# Altium PCB VIA4_datpcb.PcbDoc (continued)
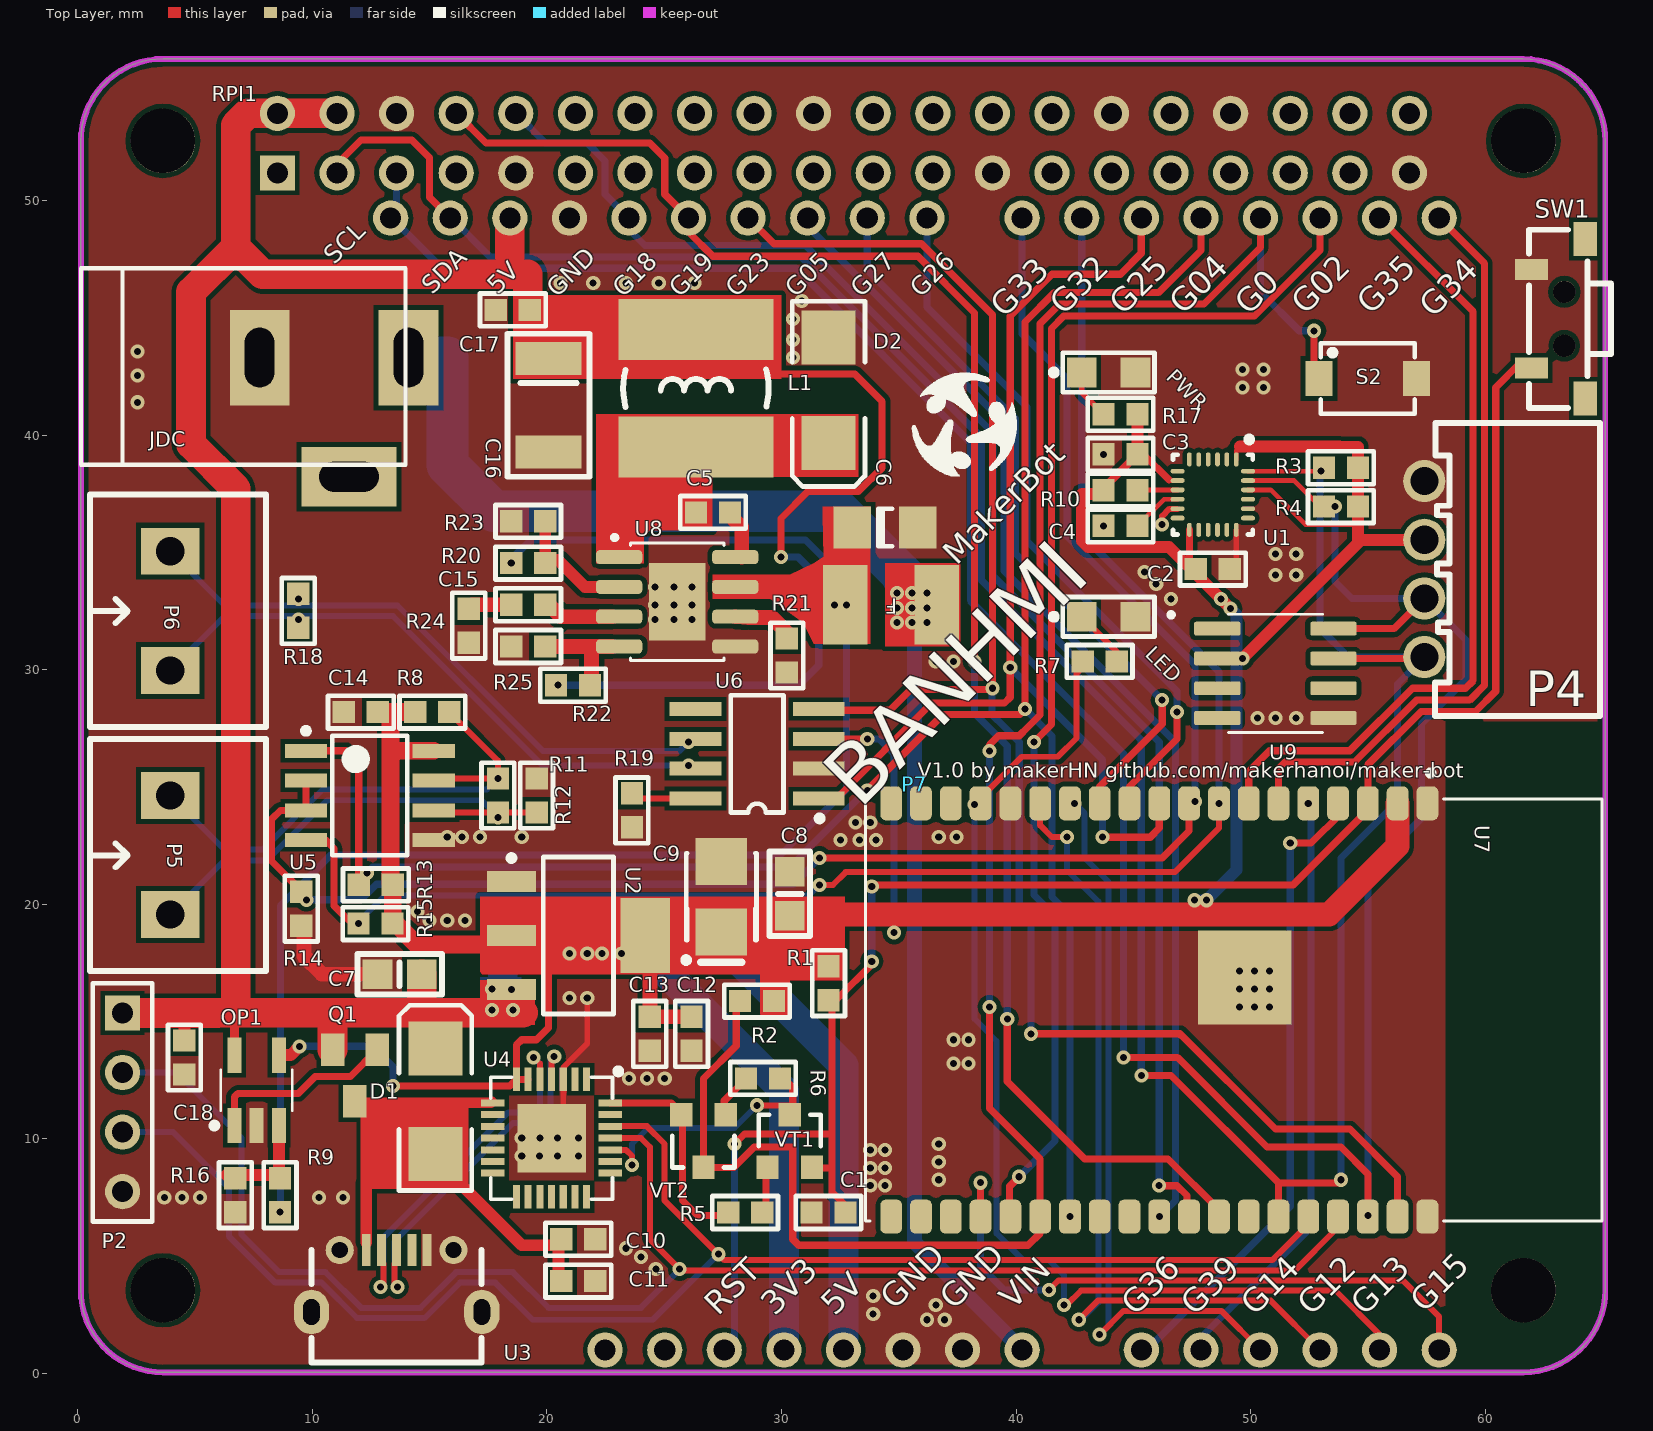
[diagram p0: Top Layer view]
## Part data (continued)
LED PWR: library part LED0805, "LED SMD 0805"
P2 P4: "Header, 4-Pin"
P5 P6: "Header, 2-Pin, Medium"
Q1: "P-Channel 30V 4A _Ta_ 1.4W _Ta_ Surface Mount SOT-23-3"
R1 R2 R3 R4 R5 R6 R8 R9 R10 R11 R12 R13 R14 R15 R16 R18 R19: library part RES-SM-0603-10K, "RES SM 0603 10K"
R7: library part RES-SM-0603-1K, "RES SM 0603 1K"
R17 R20 R21 R22 R23 R24 R25: library part RES-SM-0603-100K, "RES SM 0603 100K"
RPI1: library part "rpi connector", "GPIO Header for Raspberry Pi A+/B+/Pi 2/Pi 3 - 2x20"
S2: library part SMT_SW_PTS_820, "SMT Tactile ?Switch PTS 820 Series"
U2: library part NCP1117, "NCP1117, NCV1117. 1.0 A Low-Dropout Positive  Fixed and Adjustable  Voltage Regulators"
U3: "USB micro female SMT with 4 fixed foot"
U4: "Single-Chip USB to UART Bridge, 1024 Bytes EEPROM, -40 to 85 degC, 28-pin QFN, Tube"
U7: "Bluetooth, WiFi 802.11b/g/n, Bluetooth v4.2 + EDR, Class 1, 2 and 3 Transceiver Module 2.4GHz ~ 2.5GHz Antenna Not Included, I-PEX Surface Mount"
U8: library part MP1584
U9: "Real Time Clock _RTC_ IC Clock/Calendar I²C, 2-Wire Serial 8-SOIC _0.154, 3.90mm Width_"
VT1 VT2: library part SMT_TRIODE_NPN, "Surface mount NPN transistor, package SOT-23"

## Free pads (board coordinates)
  round 2.75 hole 2.75: ""(3.627,3.543) ""(3.627,52.543) ""(61.627,3.543) ""(61.627,52.543)

## Via types
v1: diameter 0.6, hole 0.3, Top Layer to Bottom Layer, tented both sides, 193 vias

## Nets (pads, with @x,y where several pads share a name; then routed paths per layer and width w, separated by ;. In a path a pad name is that pad's centre, name@x,y a point inside that pad or via, vN(x,y) a via of type N, cw(c..) or ccw(c..) an arc to the next point about the centre after c; other vN are vias at no path point)
3.3V: C2.2 C3.2 C8.1 C9.1 C12.2 C13.2 C14.2 OP1.4 P4.2 P7.4 R1.2 R2.2 R3.2 R4.2 R8.2 R10.1 R13.2 R15.2 R17.1 U1.1 U1.8 U1.13 U1.22 U2.2 U4.6 U4.7 U5.8 U6.3 U7.2 U9.2 | length 167.9
  Top Layer w0.203: 46.517,38.065 U1.8 ; U1.1 49.387,39.354 49.548,39.515 ; U1.22 50.854,37.665 52.342,36.177 54.555,36.177
  Top Layer w0.254: U4.7 U4.7@18.693,12.795
  Top Layer w0.305: v1(13.433,12.25) 18.41,12.25 U4.7 U4.6 ; U4.7@18.693,12.795 18.693,13.994 18.923,14.224 19.558,14.224 20.066,14.732 20.066,17.272 ; U6.3 v1(33.655,27.051) ; 34.493,19.558 34.798,19.253 v1(34.798,18.796) ; C3.2 45.433,39.181 46.517,38.097 ; C2.2@47.387,34.565 U1.13
  Top Layer w0.33: R10.1@43.725,37.731 C3.2
  Top Layer w0.508: OP1.4 9.069,13.565 v1(9.449,13.945) ; R10.1@43.551,37.483 42.818,37.483 42.818,35.479 43.071,35.226 46.525,35.226 v1(48.731,33.02) v1(49.149,32.602) ; C3.2 R17.1 ; 49.548,39.515 53.777,39.515 53.795,39.497 54.573,39.497 R3.2 R4.2 54.573,35.396 v1(49.657,30.48) ; 54.715,35.538 P4.2
  Top Layer w0.635: U2.2@24.186,18.669 24.384,18.471 C13.2 C12.2
  Top Layer w0.762: 13.335,28.067 13.335,26.289 ; 13.335,28.194 R8.2 ; U5.8 13.589,26.543 13.335,26.289 ; U2.2@18.486,18.669 18.105,18.288 14.441,18.288 13.552,19.177 R15.2 13.425,19.186 R13.2 13.335,20.918 13.335,26.289
  Top Layer w1.016: 31.877,19.558 34.493,19.558 47.46,19.558 47.462,19.56 52.03,19.56 52.032,19.558 53.34,19.558 56.266,22.484 U7.2
  Top Layer w2.54: U2.2@18.486,18.669 20.955,18.669 ; U2.2@23.495,18.669 24.186,18.669 30.353,18.669
  Bottom Layer w0.305: v1(9.449,13.945) 12.558,13.945 13.433,13.07 v1(13.433,12.25) ; v1(33.655,27.051) 34.163,27.051 34.798,26.416 v1(34.798,18.796)
  Bottom Layer w0.508: v1(47.599,20.172) v1(48.112,20.172) 49.403,21.463 49.403,32.348 v1(49.149,32.602)
  Bottom Layer w1.27: v1@20.828,17.907 v1(20.955,17.907) v1(21.717,17.907) v1(22.352,17.907) v1(23.186,17.907) 24.257,17.907 30.099,12.065 P7.4
5V: C7.1 C16.1 C17.1 C18.1 D1.2 L1.2 OP1.5 P2.1 P7.5 P7.30 Q1.2 R22.1 RPI1.2 RPI1.4 U2.3 | length 149.1
  Top Layer w0.305: 4.191,15.367 4.539,15.019 ; 29.718,42.608 33.119,42.608 34.29,41.437 34.29,38.608 33.274,37.592 31.115,37.592 29.972,36.449 v1(29.972,34.798)
  Top Layer w0.381: OP1.5@6.67,13.692 6.67,15.31
  Top Layer w0.508: C18.1 4.539,15.019
  Top Layer w1.27: P2.1 4.191,15.367 5.941,15.367 5.945,15.371 6.731,15.371 ; Q1.2 10.861,15.31 ; RPI1.4 RPI1.2 7.239,53.721 6.731,53.213 6.731,48.006 ; 14.656,15.421 C7.1 ; D1.2@15.621,14.323 15.621,15.244 ; 18.415,47.625 P7.30 ; 18.977,15.371 6.731,15.371 ; C16.1@19.939,43.783 19.177,44.545 19.177,46.863 7.874,46.863 6.731,48.006 ; 22.249,44.372 22.249,44.68 ; 6.731,15.371 6.731,37.719 4.826,39.624 4.826,46.101 6.731,48.006
  Bottom Layer w0.305: v1(20.471,29.339) 30.736,29.339 31.583,30.186 31.583,33.925 30.711,34.798 v1(29.972,34.798)
  Bottom Layer w1.27: 18.11,16.586 18.11,17.348 20.193,19.431 26.342,19.431 32.639,13.134 P7.5
  other v1: 17.653,15.494 18.542,15.498 18.486,16.369 17.653,16.383
485_N: P5.2 R8.1 R11.2 U5.7 | length 22.6
  Top Layer w0.254: U5.7 15.261,25.363 v1(17.907,25.363) 17.907,26.125 R8.1
  Bottom Layer w0.254: P5.2 6.248,22.327 7.874,22.327 10.439,24.892 17.436,24.892 v1(17.907,25.363)
485_P: P5.1 R11.1 R12.2 U5.6 | length 20.9
  Top Layer w0.254: U5.6 15.261,23.913 R11.1 19.316,23.913 R12.2@19.595,24.192
  Bottom Layer w0.254: P5.1 6.248,21.869 8.063,21.869 10.629,24.435 17.207,24.435 17.907,23.735 v1(17.907,23.702)
CAN_N: P6.2 R18.1 U6.6 | length 26.1
  Bottom Layer w0.254: P6.2 6.248,32.741 v1@9.398,32.741 ; v1(9.398,33.02) v1@9.398,32.741 ; v1(26.035,26.924) 25.654,26.543 19.824,26.543 13.626,32.741 v1@9.398,32.741
CAN_P: P6.1 R18.2 U6.7 | length 25.8
  Bottom Layer w0.254: P6.1 6.248,32.283 v1@9.398,32.283 ; v1(9.398,32.131) v1@9.398,32.283 ; v1(26.035,25.908) 19.812,25.908 13.437,32.283 v1@9.398,32.283
CAN_RX: P7.26 U6.4 U7.37 | length 71.1
  Top Layer w0.305: P7.26 29.673,48.158 35.963,48.158 38.989,45.132 v1(38.989,29.21) 38.938,29.159 35.509,29.159 34.62,28.27 31.632,28.27 U6.4 ; v1(40.64,14.478) 46.99,14.478 ; 46.99,14.427 47.041,14.427 51.054,10.414 54.234,10.414 56.266,8.382 U7.37
  Bottom Layer w0.305: v1(38.989,29.21) 38.966,29.187 38.966,28.09 39.502,27.554 39.502,27.552 39.998,27.056 40,27.056 40.137,26.919 40.137,19.837 40.64,19.334 v1(40.64,14.478)
CAN_TX: P7.20 U6.1 U7.10 | length 46.9
  Top Layer w0.305: U6.1 32.338,24.511 36.406,28.58 39.502,28.58 39.751,28.829 v1(39.751,30.099) 39.751,45.085 41.529,46.863 44.45,46.863 45.339,47.752 P7.20 ; v1(43.688,22.86) 45.72,22.86 46.106,23.246 U7.10
  Bottom Layer w0.305: v1(39.751,30.099) 43.688,26.162 v1(43.688,22.86)
D_N: U3.2 U4.5 | length 16
  Top Layer w0.254: v1(12.91,3.683) 13.037,3.81 13.037,4.68 12.941,4.775 U3.2@12.941,5.588 ; U4.5 19.693,13.212
  Bottom Layer w0.254: v1(12.91,3.683) 13.037,3.81 13.037,5.809 18.353,11.125 19.431,11.125 19.693,11.387 19.693,13.212 19.443,13.462 v1(19.431,13.462)
D_P: U3.3 U4.4 | length 16.2
  Top Layer w0.254: U3.3@13.589,5.588 13.589,4.775 13.494,4.68 13.494,3.81 v1(13.621,3.683) ; U4.4 v1@20.193,13.386
  Bottom Layer w0.254: v1(13.621,3.683) 13.494,3.81 13.494,5.62 18.542,10.668 19.62,10.668 20.15,11.198 20.15,13.355 v1(20.308,13.513)
DI: P7.21 R15.1 U5.4 U7.8 | length 72
  Top Layer w0.254: v1(31.623,20.828) 32.191,20.828 32.733,21.369 32.893,21.369 32.896,21.366 33.592,21.366 33.595,21.369 46.769,21.369 48.646,23.246 v1(48.646,24.304)
  Top Layer w0.305: U5.4 10.566,22.733 10.922,22.377 10.922,19.939 R15.1@11.684,19.177
  Bottom Layer w0.254: v1(11.966,19.177) 11.966,19.256 13.081,20.371 31.166,20.371 v1(31.623,20.828)
  Bottom Layer w0.305: P7.21@42.647,49.53 42.799,49.378 42.799,35.756 48.646,29.909 v1(48.646,24.304)
DTR: R5.1 U4.28 VT2.2 | length 9
  Top Layer w0.305: U4.28 25.297,11.533 25.781,11.049 25.781,7.366 26.416,6.731 R5.1@27.596,6.731
GND: C1.1 C2.1 C3.1 C4.2 C6.2 C7.2 C8.2 C9.2 C10.1 C11.1 C12.1 C13.1 C14.1 C16.2 C17.2 C18.2 D2.1 JDC.2 LED.2 OP1.2 P2.4 P4.1 P7.6 P7.7 P7.29 PWR.2 R12.1 R14.1 R16.1 R19.1 R21.1 R23.2 R24.1 R25.2 RPI1.6 RPI1.9 RPI1.20 RPI1.25 RPI1.30 RPI1.34 RPI1.39 S2.2 SW1.2 U1.11 U1.18 U1.20 U2.1 U3.5 U3.6 U3.7 U3.8 U3.9 U4.3 U4.29 U5.5 U6.2 U7.1 U7.15 U7.38 U7.39 U8.5 U8.9 U9.5 | length 13.6
  Top Layer w0.254: U4.29@20.693,10.533 20.693,12.024 20.701,12.016 20.701,13.05 21.717,14.066 v1(21.717,16.002) ; v1(46.228,36.195) 46.228,36.55 46.537,36.859 U1.11@46.887,36.859 ; C2.1 49.387,34.565 U1.18
  Top Layer w0.635: R14.1 9.637,18.975 9.637,17.795 10.414,17.018 C7.2
  other v1: 36.195,2.286 36.957,2.286 33.909,2.54 36.576,2.921 33.909,3.302 24.638,4.445 24.003,4.953 23.368,5.334 3.683,7.493 4.445,7.493 5.207,7.493 10.287,7.493 11.303,7.493 33.782,8.001 34.417,8.001 36.703,8.255 33.782,8.763 34.417,8.763 36.703,9.017 18.923,9.271 19.685,9.271 20.447,9.271 21.336,9.271 33.782,9.525 34.417,9.525 36.703,9.779 18.923,10.033 19.693,10.033 20.447,10.033 21.336,10.033 23.495,12.573 24.257,12.573 25.019,12.573 37.338,13.208 37.973,13.208 37.338,14.224 37.973,14.224 49.53,15.621 50.165,15.621 50.8,15.621 20.955,16.002 49.53,16.383 50.165,16.383 50.8,16.383 49.53,17.145 50.165,17.145 50.8,17.145 14.986,19.304 15.748,19.304 16.51,19.304 14.478,19.685 32.512,22.733 33.326,22.733 34.036,22.733 15.748,22.86 16.383,22.86 17.145,22.86 18.923,22.86 36.703,22.86 37.465,22.86 33.147,23.495 33.782,23.495 50.292,27.94 51.054,27.94 51.943,27.94 36.576,30.353 37.338,30.353 24.614,32.138 25.416,32.138 26.186,32.133 24.614,32.76 25.416,32.76 26.186,32.768 46.609,33.02 24.614,33.53 25.424,33.53 26.186,33.53 45.974,33.655 51.054,34.036 51.943,34.036 45.466,34.163 51.054,34.925 51.943,34.925 43.725,36.133 43.725,39.181 2.54,41.402 49.657,42.037 50.546,42.037 2.54,42.545 49.657,42.799 50.546,42.799 30.48,43.307 2.54,43.561 30.48,44.069 30.48,44.958 30.861,45.72 20.574,46.482 21.971,46.482 23.368,46.482 24.765,46.482 26.289,46.482
IO0: P7.18 R2.1 S2.1 U7.25 VT2.3 | length 87.6
  Top Layer w0.305: R2.1@28.067,15.875 28.067,13.97 26.67,12.573 VT2.3 27.961,8.781 28.832,9.652 30.48,9.652 30.48,7.476 30.474,7.47 30.474,6.246 30.48,6.24 30.48,5.715 30.734,5.461 40.513,5.461 41.026,5.974 U7.25@41.026,6.433 ; v1(38.862,15.621) 38.862,11.303 41.026,9.139 U7.25 ; v1(38.862,26.543) 38.862,26.797 39.25,27.185 40.137,27.185 40.506,27.554 41.021,28.07 41.021,44.751 41.863,45.593 48.006,45.593 50.419,48.006 P7.18 ; S2.1@52.705,42.418 v1(52.705,44.45)
  Bottom Layer w0.305: v1(38.862,15.621) v1(38.862,26.543) ; P7.18 50.419,46.101 52.07,44.45 v1(52.705,44.45)
IO2: P7.17 U7.24 | length 53.7
  Top Layer w0.305: U7.24 39.649,6.791 39.649,6.96 39.726,6.96 39.726,7.976 v1(40.132,8.382) ; v1(40.767,26.924) 41.504,27.661 41.504,44.552 42.032,45.08 50.16,45.08 52.959,47.879 P7.17
  Bottom Layer w0.305: v1(40.132,8.382) 41.656,9.906 41.656,19.511 40.767,20.4 v1(40.767,26.924)
IO4: P7.19 R13.1 U5.1 U7.26 | length 87.7
  Top Layer w0.305: U5.1 11.43,26.543 11.975,25.998 R13.1 ; v1(33.655,24.859) 36.893,28.097 40.157,28.097 v1(40.381,28.321) 40.381,44.826 41.631,46.076 46.076,46.076 47.879,47.879 P7.19
  Bottom Layer w0.305: v1(12.319,21.336) 12.573,21.59 30.386,21.59 30.993,22.197 30.993,22.232 33.62,24.859 v1(33.655,24.859) ; v1(40.381,28.321) 40.386,28.321 41.534,27.173 41.534,20.315 42.296,19.553 v1(42.296,6.684)
IO5: P7.25 U7.29 | length 49.4
  Bottom Layer w0.305: P7.25@31.142,49.276 31.142,48.868 39.497,40.513 39.497,34.205 46.792,26.91 46.792,7.37 v1(46.106,6.684)
IO12: P7.12 U7.14 | length 35.3
  Top Layer w0.254: U7.14 41.026,23.363 41.529,22.86 v1(42.164,22.86) ; v1(42.672,2.286) 43.485,3.099 50.856,3.099 P7.12
  Bottom Layer w0.254: v1(42.164,22.86) 42.164,21.463 43.51,20.117 43.51,3.031 42.765,2.286 v1(42.672,2.286)
IO13: P7.13 R7.1 U7.16 | length 47.4
  Top Layer w0.254: U7.16 38.486,24.537 40.238,26.289 41.783,26.289 42.582,27.088 42.582,29.845 R7.1@42.836,30.099 ; v1(42.037,2.921) 42.164,2.921 42.774,3.531 53.619,3.531 55.499,1.651 P7.13
  Bottom Layer w0.254: v1(38.227,24.257) 38.227,15.113 39.167,14.173 39.167,5.969 40.31,4.826 41.402,4.826 42.037,4.191 v1(42.037,2.921) ; P7.13@55.327,1.168 P7.13
IO14: P7.11 U7.13 | length 31.4
  Top Layer w0.254: v1(43.561,1.651) 44.577,2.667 48.748,2.667 P7.11
  Bottom Layer w0.254: v1(42.498,24.304) 42.926,23.876 42.926,21.971 43.942,20.955 43.942,2.032 v1(43.561,1.651)
IO15: P7.14 U7.23 | length 27.1
  Top Layer w0.254: v1(41.402,3.556) 41.808,3.962 56.49,3.962 58.039,2.413 P7.14
  Top Layer w0.305: U7.23@38.354,6.816 38.481,6.943 v1(38.481,8.128)
  Bottom Layer w0.305: v1(38.481,8.128) 38.481,4.572 39.497,3.556 v1(41.402,3.556)
IO18: P7.28 RPI1.10 U7.30 | length 64.4
  Top Layer w0.305: v1(46.101,8.001) 46.863,8.001 47.284,7.58 47.284,6.776 U7.30
  Bottom Layer w0.305: RPI1.10 19.939,52.451 21.717,52.451 22.479,51.689 22.479,50.272 P7.28 23.495,48.768 24.181,48.082 31.023,48.082 39.014,40.091 39.014,34.005 46.101,26.918 v1(46.101,8.001)
IO19: P7.27 RPI1.8 U7.31 | length 71.8
  Top Layer w0.305: RPI1.8 17.399,52.451 24.384,52.451 25.019,51.816 25.019,50.272 P7.27 26.035,48.657 27.067,47.625 35.814,47.625 38.227,45.212 v1(38.227,30.353) ; v1(39.624,15.113) 39.624,12.446 42.926,9.144 46.482,9.144 48.646,6.98 U7.31
  Bottom Layer w0.305: v1(38.227,30.353) 38.227,28.144 39.624,26.747 v1(39.624,15.113)
IO21: P4.4 P7.31 R3.1 RPI1.3 U1.24 U7.33 U9.7 | length 118.5
  Top Layer w0.203: U1.24 R3.1@52.98,38.465 ; P4.4@57.344,30.48 P4.4
  Top Layer w0.305: RPI1.3 11.049,51.562 12.065,52.578 14.232,52.578 14.986,51.824 14.986,50.145 P7.31 ; v1(45.339,12.7) 46.609,12.7 51.186,8.123 ; U7.33@51.186,7.055 51.186,8.123 ; U9.7 P4.4@57.344,30.48 ; v1(53.848,8.255) 53.716,8.123 51.186,8.123
  Bottom Layer w0.305: P7.31@15.902,49.276 17.578,47.6 30.823,47.6 38.532,39.891 38.532,33.805 45.339,26.998 v1(45.339,12.7) ; v1(52.996,38.481) 52.964,38.449 52.964,31.787 52.943,31.766 54.169,30.54 P4.4 56.261,29.397 56.261,24.384 53.848,21.971 v1(53.848,8.255)
IO22: P4.3 P7.32 R4.1 RPI1.5 U1.23 U7.36 U9.8 | length 118.8
  Top Layer w0.203: U1.23 51.857,38.065 52.965,36.957 R4.1 R4.1@53.281,36.957 ; R4.1@53.467,36.771 R4.1@53.281,36.957 ; v1(53.594,36.957) R4.1@53.281,36.957
  Top Layer w0.305: v1(44.577,13.462) 46.888,13.462 50.698,9.652 53.848,9.652 54.996,8.504 v1(54.996,6.736) U7.36 ; U9.8 56.115,31.75 P4.3
  Bottom Layer w0.305: P7.32 13.589,49.51 RPI1.5 ; P7.32@13.362,49.276 15.521,47.117 30.624,47.117 38.049,39.691 38.049,32.944 41.407,29.586 41.409,29.586 44.589,26.406 44.577,26.395 v1(44.577,13.462) ; v1(53.594,36.957) 53.594,33.765 54.32,33.039 P4.3 59.182,31.261 59.182,29.591 57.277,27.686 57.277,23.661 54.996,21.38 v1(54.996,6.736)
IO26: P7.23 U7.11 | length 30.2
  Top Layer w0.305: U7.11 44.836,25.024 46.863,27.051 v1(46.863,28.194)
  Bottom Layer w0.305: P7.23 36.195,45.466 40.462,41.199 40.462,35.484 46.863,29.083 v1(46.863,28.194)
IO27: P7.24 U7.12 | length 31.3
  Top Layer w0.305: U7.12 43.566,25.024 46.228,27.686 v1(46.228,28.702)
  Bottom Layer w0.305: P7.24 33.655,47.037 39.98,40.713 39.98,34.95 v1(46.228,28.702)
IO33: P7.22 R14.2 U5.2 U5.3 U7.9 | length 74.7
  Top Layer w0.305: R14.2@9.525,20.283 9.525,20.574 8.255,21.844 8.255,23.622 8.636,24.003 U5.3 U5.2 ; v1(31.623,21.971) 46.228,21.971 47.376,23.119 U7.9
  Bottom Layer w0.305: v1(9.744,20.191) 12.065,20.191 12.728,20.853 30.505,20.853 v1(31.623,21.971) ; P7.22 40.259,44.323 42.164,42.418 42.164,35.676 47.625,30.215 v1(47.625,24.384)
IO34: P7.15 U7.6 | length 32.5
  Top Layer w0.305: U7.6 51.186,25.786 51.46,26.06 54.429,26.06 57.07,28.702 59.338,28.702 59.969,29.333 59.969,47.326 P7.15
IO35: P7.16 U7.7 | length 33.9
  Top Layer w0.305: U7.7 49.916,25.659 50.8,26.543 54.229,26.543 56.896,29.21 59.164,29.21 59.487,29.533 59.487,45.268 P7.16
IO36: P7.9 U7.4 | length 27.4
  Top Layer w0.305: v1(51.689,22.606) 52.578,22.606 53.848,23.876 U7.4@53.848,24.182
  Bottom Layer w0.305: P7.9 45.593,1.25 45.827,1.25 51.689,7.112 v1(51.689,22.606)
IO39: P7.10 U7.5 | length 25.3
  Bottom Layer w0.305: P7.10 47.879,1.524 52.578,6.223 52.578,24.182 v1(52.456,24.304)
LBK: U6.5
MPU_INT: U1.12
NetC4_1: C4.1 U1.10 | length 2.2
  Top Layer w0.203: C4.1 46.307,37.265 U1.10
NetC5_1: C5.1 D2.2 L1.1 U8.1 | length 2.9
  Top Layer w0.635: C5.1@26.349,36.579 L1.1
NetC5_2: C5.2 U8.8 | length 2
  Top Layer w0.635: C5.2@27.8,36.578 28.301,36.077 U8.8@28.301,34.8
NetC15_1: C15.1 R24.2 | length 1.7
  Top Layer w0.635: R24.2@16.825,32.768 C15.1
NetC15_2: C15.2 U8.3 | length 3.1
  Top Layer w0.635: C15.2@19.963,32.895 20.598,32.26 U8.3@22.801,32.26
NetLED1_1: LED.1 R7.2 | length 2.8
  Top Layer w0.254: LED.1 44.286,30.771 R7.2@44.286,30.099
NetLED2_1: PWR.1 R17.2 | length 2.2
  Top Layer w0.254: PWR.1 42.799,41.82 R17.2
NetOP1_1: OP1.1 Q1.1 | length 8.1
  Top Layer w0.305: OP1.1 6.67,11.789 6.819,11.938 9.398,11.938 10.121,12.661 11.622,12.661 Q1.1
NetOP1_3: OP1.3 R9.1 R16.2 | length 4.2
  Top Layer w0.508: R16.2@6.332,8.449 R9.1@8.745,8.449 ; R9.1@8.57,8.787 OP1.3
NetR5_2: R5.2 VT1.1 | length 2.3
  Top Layer w0.305: R5.2@29.046,6.731 29.337,7.022 29.337,8.588 VT1.1@29.53,8.781
NetR6_2: R6.2 VT2.1 | length 2.3
  Top Layer w0.305: VT2.1 27.62,11.412 27.559,11.351 27.559,11.622 28.448,12.511 R6.2@28.448,12.827
NetR10_2: R10.2 U1.9 | length 1.7
  Top Layer w0.203: R10.2 45.183,37.665 46.306,37.665 U1.9
NetR20_2: R20.2 R23.1 U8.2 | length 5.1
  Top Layer w0.508: R20.2 R20.2@19.926,34.673 ; R23.1 R20.2@19.926,34.673 ; U8.2@22.801,33.53 21.614,33.53 20.471,34.673 R20.2@19.926,34.673
NetR21_2: R21.2 U8.6 | length 2.6
  Top Layer w0.635: U8.6 28.599,32.223 29.589,32.223 R21.2@30.353,31.459
NetR22_2: R22.2 R25.1 U8.4 | length 4.4
  Top Layer w0.635: R25.1@20.053,30.99 U8.4@22.801,30.99 ; R22.2@21.905,29.339 21.905,30.953
OTG_ID: U3.4
RESET: C1.2 P7.3 R1.1 SW1.1 U7.3 VT1.2 | length 74
  Top Layer w0.305: v1(27.995,9.779) 28.417,10.201 32.149,10.201 ; VT1.2@31.43,8.781 31.448,8.763 32.149,8.763 ; R1.1 32.319,15.912 33.909,17.502 v1(33.846,17.566) ; R1.1@32.149,15.767 32.149,10.201 ; C1.2@32.639,6.895 32.639,7.239 32.149,7.729 32.149,8.763 ; v1(33.846,20.764) 33.909,20.828 51.816,20.828 54.996,24.008 U7.3 54.996,25.945 57.27,28.219 59.588,28.219 60.452,29.083 60.452,42.037 SW1.1@61.468,43.053 ; 32.149,8.763 32.149,10.201
  Bottom Layer w0.305: P7.3@27.995,1.425 v1(27.995,9.779) ; v1@33.846,17.462 v1(33.846,17.566) v1(33.846,20.764)
RS: R19.2 U6.8 | length 2.8
  Top Layer w0.254: R19.2@23.647,24.728 R19.2 23.839,24.511 U6.8
RTS: R6.1 U4.24 VT1.3 | length 11.5
  Top Layer w0.254: U4.24 23.36,9.533 23.622,9.271 v1(23.622,8.89) ; v1(28.956,11.43) VT1.3@30.48,11.43
  Top Layer w0.305: R6.1@29.845,12.827 30.48,12.192 VT1.3@30.48,11.43
  Bottom Layer w0.254: v1(23.622,8.89) 23.622,9.779 24.305,10.462 27.988,10.462 v1(28.956,11.43)
RXD0: P2.3 U4.26 U7.34 | length 66.3
  Top Layer w0.254: U4.26@22.701,10.541 24.257,10.541 25.019,9.779 25.019,7.366 v1(27.305,5.08) 27.559,4.826 50.927,4.826 U7.34@52.329,6.228
  Bottom Layer w0.254: P2.3 4.064,10.287 6.437,7.914 6.437,5.85 8.416,3.871 10.394,3.871 11.903,2.362 14.784,2.362 16.293,3.871 17.795,3.871 19.38,2.286 24.511,2.286 v1(27.305,5.08)
TXD0: P2.2 U4.25 U7.35 | length 69.1
  Top Layer w0.254: U4.25 24.003,10.033 24.384,9.652 24.384,5.715 v1(25.654,4.445) 25.705,4.394 51.892,4.394 ; 51.892,4.42 51.918,4.42 53.599,6.101 U7.35@53.599,6.731
  Bottom Layer w0.254: P2.2 4.191,12.827 6.985,10.033 6.985,5.913 8.58,4.318 10.557,4.318 12.081,2.794 14.605,2.794 16.129,4.318 18.542,4.318 20.066,2.794 24.003,2.794 v1(25.654,4.445)
VBUS: C10.2 C11.2 D1.1 Q1.3 U3.1 U4.8 | length 19.2
  Top Layer w0.457: Q1.3 11.868,11.543 17.605,11.543 U4.8@17.646,11.585
  Top Layer w0.508: U3.1@12.294,5.588 12.294,8.14 16.244,8.14 18.923,5.461 C10.2@20.484,5.461 ; C11.2@20.484,3.937 C10.2@20.484,5.399
VIN: C6.1 F.2 R9.2 R20.1 U8.7 | length 63.2
  Bottom Layer w0.305: v1@8.636,7.112 8.636,19.948 10.776,22.088 13.851,22.088 13.861,22.098 29.96,22.098 32.766,24.904 v1(32.766,32.766) ; v1(18.476,34.546) 18.476,34.707 19.304,35.535 31.019,35.535 32.258,34.296 v1(32.258,32.766)
  other v1: 8.618,6.872
VIN_N: F.1 JDC.1 P7.8 | length 62.7
  Bottom Layer w0.635: 34.671,33.655 35.166,34.15 ; v1(35.56,33.274) 35.56,33.528 35.801,33.769 ; v1@35.674,32.004 35.674,5.581 P7.8
  Bottom Layer w1.778: JDC.1 15.757,43.307 15.757,38.726 17.729,36.754 32.459,36.754 v1@35.812,33.401
  other v1: 34.925,32.004 35.56,32.004 36.195,32.004 34.925,32.639 35.56,32.639 36.195,32.639 34.925,33.274 36.195,33.274
pads on no net: JDC.3 P7.1 P7.2 RPI1.1 RPI1.7 RPI1.11 RPI1.12 RPI1.13 RPI1.14 RPI1.15 RPI1.16 RPI1.17 RPI1.18 RPI1.19 RPI1.21 RPI1.22 RPI1.23 RPI1.24 RPI1.26 RPI1.27 RPI1.28 RPI1.29 RPI1.31 RPI1.32 RPI1.33 RPI1.35 RPI1.36 RPI1.37 RPI1.38 RPI1.40 S2.MH1 S2.MH2 SW1. SW1.3 SW1.4 U1.2 U1.3 U1.4 U1.5 U1.6 U1.7 U1.14 U1.15 U1.16 U1.17 U1.19 U1.21 U1.25 U4.1 U4.2 U4.9 U4.10 U4.11 U4.12 U4.13 U4.14 U4.15 U4.16 U4.17 U4.18 U4.19 U4.20 U4.21 U4.22 U4.23 U4.27 U7.17 U7.18 U7.19 U7.20 U7.21 U7.22 U7.27 U7.28 U7.32 U9.1 U9.3 U9.4 U9.6

## Polygon pours and split planes (outlines as drawn)
GND on Bottom Layer "Bottom Layer-No Net" (solid, remove dead copper, pour order 0): -0.219,56.081 64.932,56.081 64.932,-0.053 -0.219,-0.053
3.3V on Top Layer "Bottom Layer-No Net" (solid, remove dead copper, pour order 18): 30.963,20.193 32.704,20.193 32.704,18.452 32.704,18.037 32.704,16.764 30.861,16.764 30.48,16.764 30.353,16.764 30.353,15.178 29.21,15.175 29.083,15.175 29.083,15.621 29.083,17.018 17.145,17.018 17.145,20.193
GND on Top Layer "Bottom Layer-No Net" (solid, remove dead copper, pour order 2): 0,56.134 65.151,56.134 65.151,0 0,0

## Keep-outs
Keep-Out Layer:
  the board outline again, w0.254

## Other copper
Top Layer:
  rectangle net 5V: 18.542,42.394 29.996,45.974
  region net VIN_N: 37.638,30.988 37.638,34.544 34.417,34.544 34.417,30.988
  rectangle net 5V: 17.145,14.859 19.486,16.764
  region net VBUS: 12.065,11.684 16.637,11.684 16.637,7.874 13.462,7.874 12.065,7.874 12.065,8.481 12.065,10.033
  pour cut-out: 47.395,38.457 49.379,38.457 49.379,36.288 49.195,36.473 47.395,36.473
  pour cut-out: 33.989,34.755 33.874,30.841 34.271,30.841 34.21,34.63 34.335,34.755
  region net VIN: 33.782,31.115 33.782,36.957 32.055,36.957 31.761,36.957 31.761,36.576 31.792,34.826 31.369,34.544 30.353,34.058 27.067,34.058 27.067,33.02 29.523,33.02 30.926,32.007 31.369,31.115
  region net 3.3V: 17.145,20.32 32.704,20.32 32.704,18.452 32.704,16.764 30.353,16.764 30.353,15.178 29.237,15.178 29.083,15.332 29.083,17.018 17.24,17.018 17.145,17.113
  region net NetC5_1: 22.098,40.894 33.274,40.894 33.274,38.227 27.051,38.227 27.051,35.941 24.384,35.941 24.13,35.687 24.13,34.544 22.606,34.544 22.098,34.544 22.098,34.798 22.098,37.592 22.098,37.973
  pour cut-out: 21.816,42.086 30.218,42.086 30.218,41.023 21.816,41.023 21.816,41.529
  pour cut-out: 65.151,0 58.42,0 58.293,0.127 58.293,27.813 58.547,27.813 58.928,27.813 65.151,27.813
Bottom Layer:
  region net VIN_N: 36.69,31.242 36.69,34.15 34.417,34.15 34.417,31.242
  rectangle net 5V: 17.145,14.986 18.923,16.891
  pour cut-out: 22.86,45.802 22.86,38.1 29.845,38.1 29.845,45.802
  pour cut-out: 65.151,0 58.42,0 58.293,0.127 58.293,27.813 58.547,27.813 58.928,27.813 65.151,27.813
  pour cut-out: 46.687,39.165 50.087,39.165 50.087,35.765 46.687,35.765

## Silkscreen, mask and mechanical layers (free items; w line width, h text height)
Top Overlay:
  drawing of 457 lines, arcs and shapes, not listed
  text "SCL" at 10.922,47.244 h0.76 r45
  text "SDA" at 15.113,45.974 h0.76 r45
  text "5V" at 17.907,45.974 h0.76 r45
  text "GND" at 20.447,45.847 h0.76 r45
  text "G18" at 23.241,45.847 h0.76 r45
  text "G19" at 25.654,45.847 h0.76 r45
  text "G23" at 28.067,45.847 h0.76 r45
  text "G05" at 30.607,45.847 h0.76 r45
  text "G27" at 33.401,45.847 h0.76 r45
  text "G26" at 35.941,45.847 h0.76 r45
  text "G32" at 42.032,45.08 h1.02 r45
  text "G25" at 44.577,45.08 h1.02 r45
  text "G04" at 47.117,45.085 h1.02 r45
  text "G0" at 49.911,45.08 h1.02 r45
  text "G02" at 52.324,45.085 h1.02 r45
  text "G35" at 55.118,45.085 h1.02 r45
  text "G33" at 39.497,44.958 h1.02 r45
  text "G34" at 57.785,44.958 h1.02 r45
  text "MakerBot" at 37.465,34.417 h1.02 r45
  text "V1.0 by makerHN github.com/makerhanoi/maker-bot" at 35.814,25.4 h0.64
  text "BANHMI" at 33.326,24.003 h2.54 r45
  text "GND" at 34.798,2.667 h1.02 r45
  text "GND" at 37.338,2.667 h1.02 r45
  text "VIN" at 39.878,2.667 h1.02 r45
  text "G15" at 57.404,2.54 h1.02 r45
  text "RST" at 27.305,2.413 h1.02 r45
  text "3V3" at 29.718,2.413 h1.02 r45
  text "5V" at 32.258,2.413 h1.02 r45
  text "G36" at 45.085,2.413 h1.02 r45
  text "G39" at 47.625,2.413 h1.02 r45
  text "G14" at 50.165,2.413 h1.02 r45
  text "G12" at 52.578,2.413 h1.02 r45
  text "G13" at 54.864,2.413 h1.02 r45
Bottom Overlay:
  drawing of 457 lines, arcs and shapes, not listed

## Text inside footprints (layer, text, board x,y; h text height)
U1: Mechanical 13 "Y" at 49.087,37.59 h0.4 r270; Mechanical 13 "x" at 48.237,36.79 h0.4 r270; Mechanical 13 "Z" at 47.637,38.14 h0.4 r270